# Altium PCB CPU_CARD.pcbdoc (part 5 of 10) (continued)
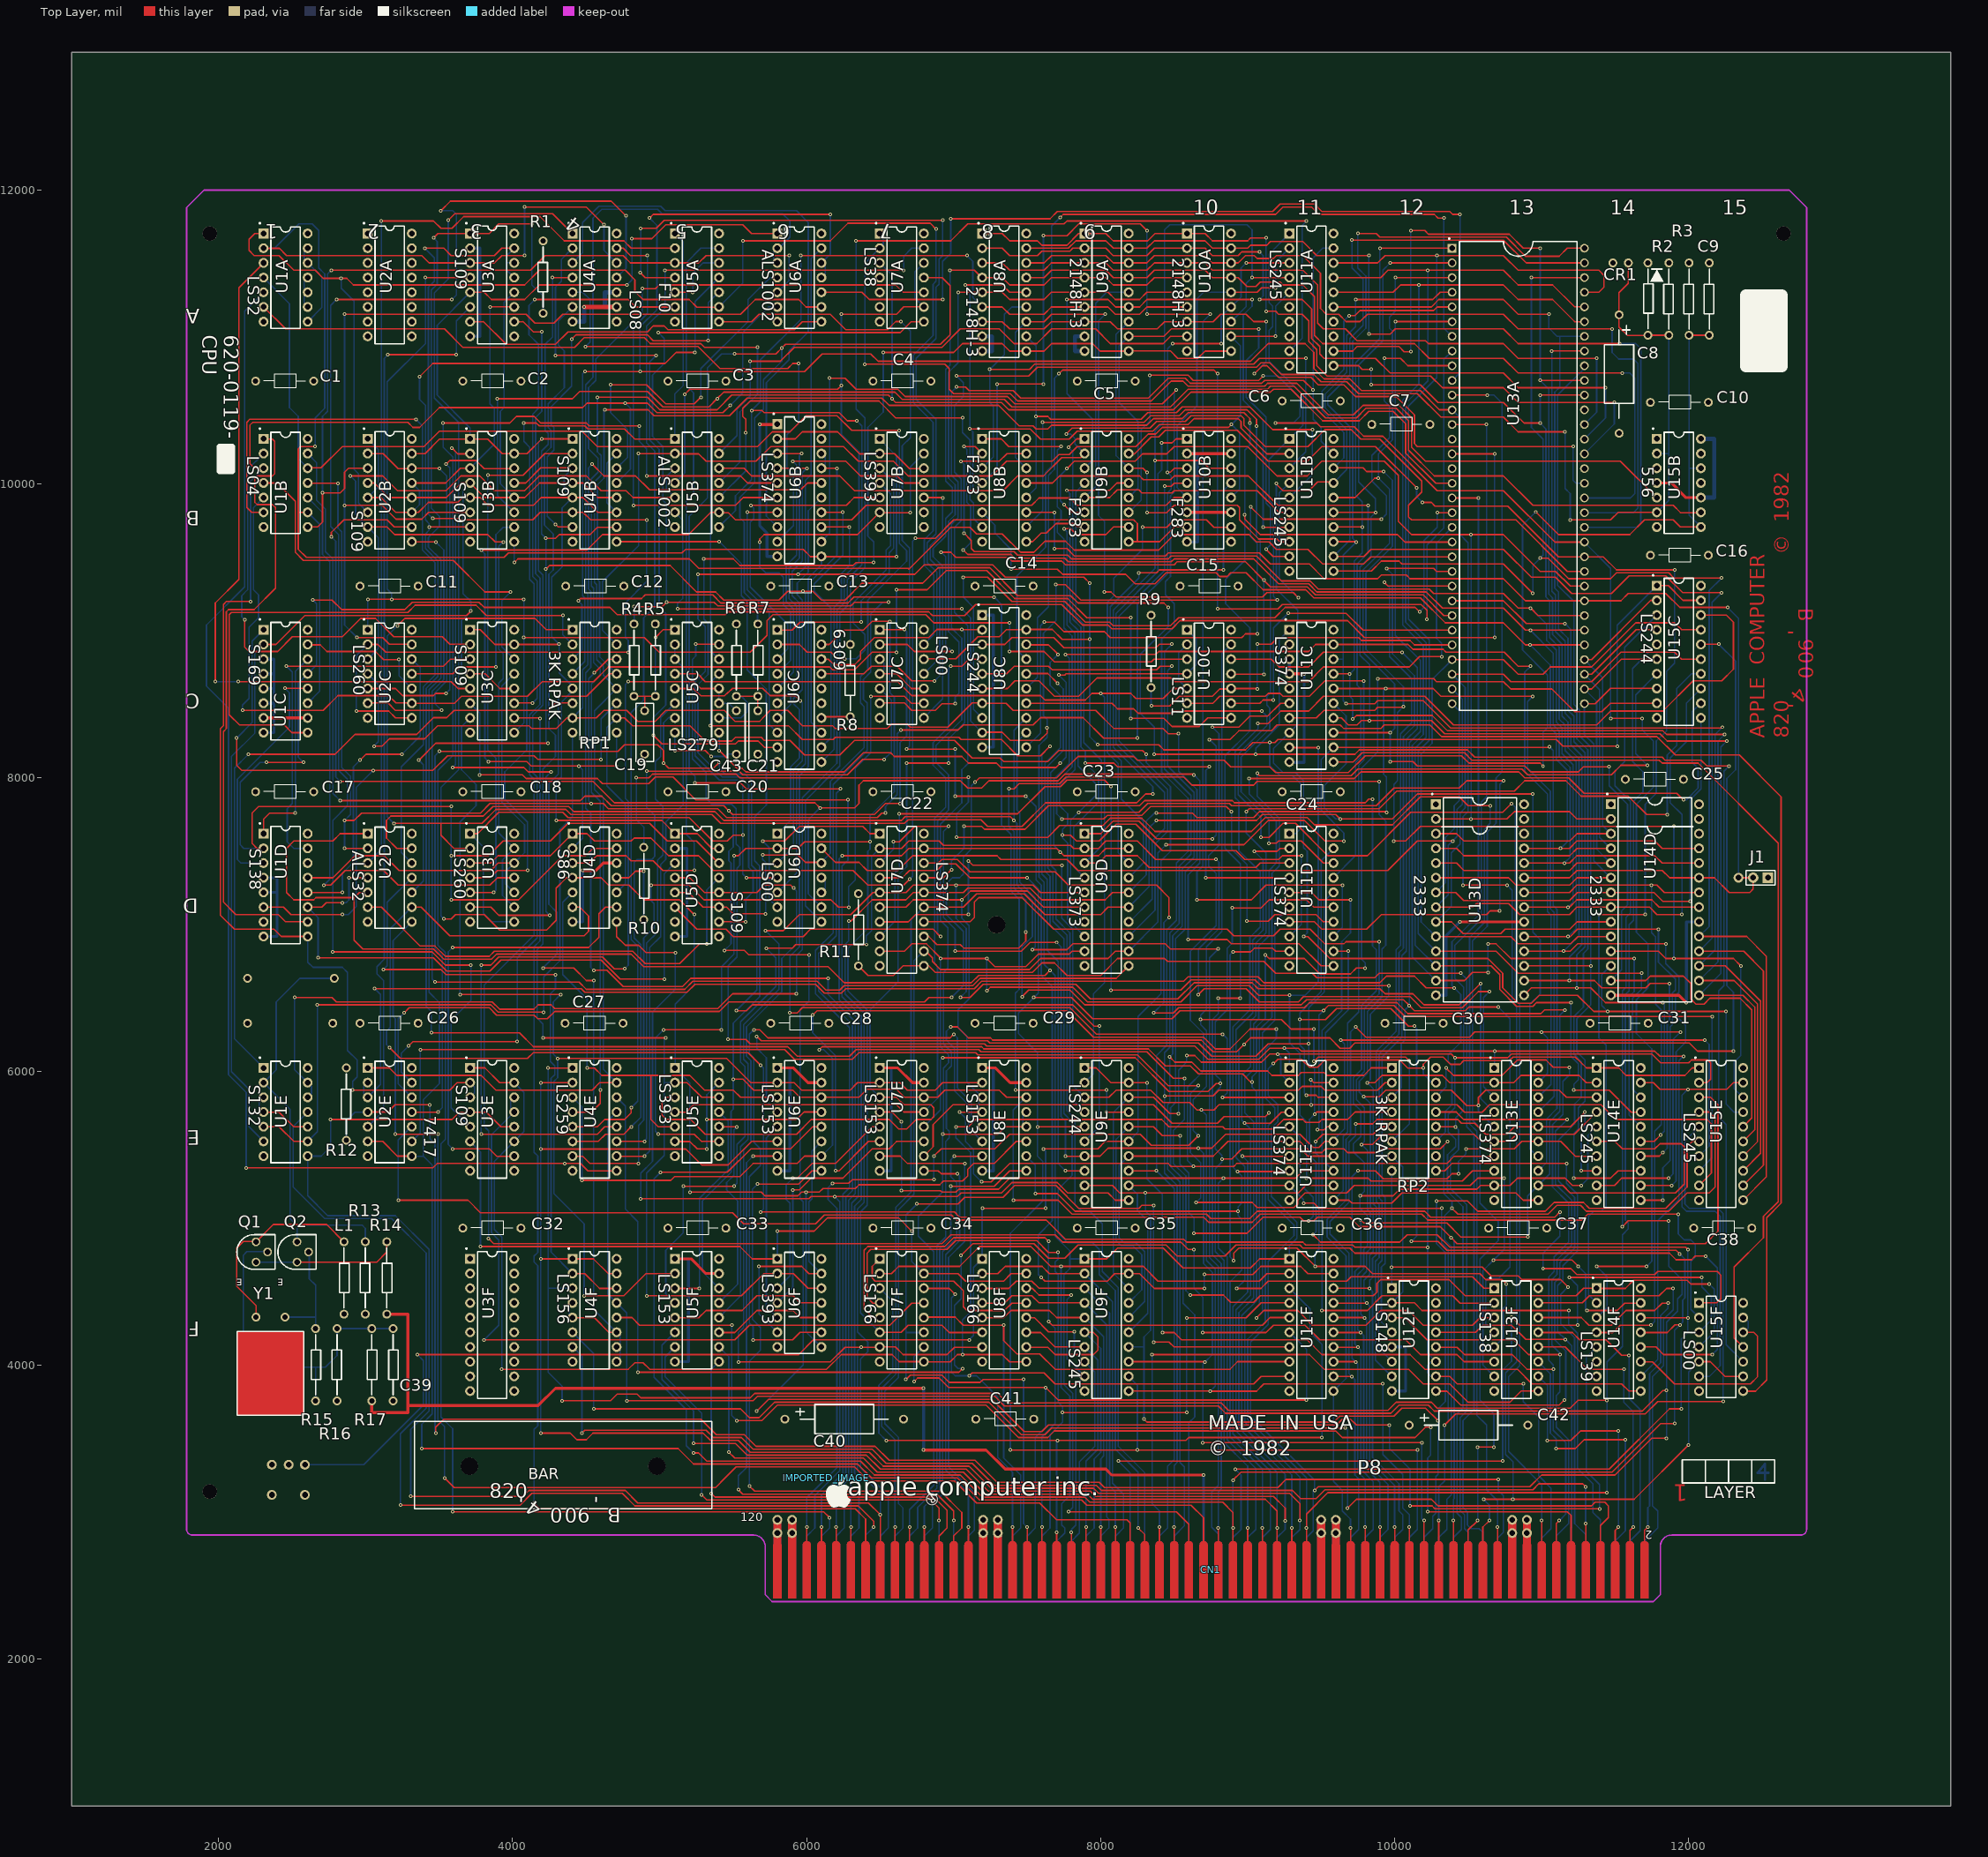
[diagram p0: Top Layer view]
## Footprints (in the part's own frame and the unit in brackets; to place one, negate y for a bottom-side part, rotate by r counter-clockwise, add the part's x,y. Pads: shape width x height; smd on the part's side, far side on the other; paste and mask are expansions set on the pad) (continued)
  Bottom Layer region: -8.848,4.952 -8.886,4.953 -8.886,4.953 -8.924,4.952 -8.924,4.952 -8.962,4.949 -8.962,4.949 -8.999,4.944 -8.999,4.944 -9.036,4.937 -9.036,4.937 -9.073,4.928 -9.073,4.928 -9.109,4.916 -9.109,4.916 -9.145,4.904 -9.145,4.904 -9.18,4.888 -9.18,4.888 -9.214,4.872 -9.214,4.872 -9.247,4.853 -9.247,4.853 -9.279,4.833 -9.279,4.833 -9.31,4.81 -9.31,4.81 -9.339,4.787 -9.339,4.787 -9.367,4.761 -9.367,4.761 -9.394,4.734 -9.394,4.734 -9.42,4.706 -9.42,4.706 -9.443,4.677 -9.443,4.677 -9.465,4.646 -9.465,4.646 -9.486,4.614 -9.486,4.614 -9.504,4.581 -9.504,4.581 -9.521,4.547 -9.521,4.547 -9.536,4.512 -9.536,4.512 -9.549,4.477 -9.549,4.477 -9.56,4.44 -9.56,4.44 -9.57,4.404 -9.57,4.404 -9.577,4.366 -9.577,4.366 -9.582,4.329 -9.582,4.329 -9.585,4.291 -9.585,4.291 -9.586,4.253 -9.586,4.253 -9.586,-4.953 -9.586,-4.953 -8.186,-4.953 -8.186,-4.953 -8.186,4.253 -8.186,4.253 -8.187,4.291 -8.187,4.291 -8.19,4.329 -8.19,4.329 -8.195,4.366 -8.195,4.366 -8.202,4.404 -8.202,4.404 -8.212,4.44 -8.212,4.44 -8.223,4.477 -8.223,4.477 -8.236,4.512 -8.236,4.512 -8.251,4.547 -8.251,4.547 -8.268,4.581 -8.268,4.581 -8.286,4.614 -8.286,4.614 -8.307,4.646 -8.307,4.646 -8.329,4.677 -8.329,4.677 -8.352,4.706 -8.352,4.706 -8.378,4.734 -8.378,4.734 -8.405,4.761 -8.405,4.761 -8.433,4.787 -8.433,4.787 -8.462,4.81 -8.462,4.81 -8.493,4.833 -8.493,4.833 -8.525,4.853 -8.525,4.853 -8.558,4.872 -8.558,4.872 -8.592,4.888 -8.592,4.888 -8.627,4.904 -8.627,4.904 -8.662,4.916 -8.662,4.916 -8.699,4.928 -8.699,4.928 -8.736,4.937 -8.736,4.937 -8.773,4.944 -8.773,4.944 -8.81,4.949 -8.81,4.949
  Bottom Layer region: -6.308,4.952 -6.346,4.953 -6.346,4.953 -6.384,4.952 -6.384,4.952 -6.421,4.949 -6.421,4.949 -6.459,4.944 -6.459,4.944 -6.496,4.937 -6.496,4.937 -6.533,4.927 -6.533,4.927 -6.569,4.916 -6.569,4.916 -6.605,4.903 -6.605,4.903 -6.64,4.888 -6.64,4.888 -6.674,4.871 -6.674,4.871 -6.707,4.853 -6.707,4.853 -6.739,4.832 -6.739,4.832 -6.769,4.81 -6.769,4.81 -6.799,4.787 -6.799,4.787 -6.827,4.761 -6.827,4.761 -6.854,4.734 -6.854,4.734 -6.879,4.706 -6.879,4.706 -6.903,4.677 -6.903,4.677 -6.925,4.646 -6.925,4.646 -6.946,4.614 -6.946,4.614 -6.964,4.581 -6.964,4.581 -6.981,4.547 -6.981,4.547 -6.996,4.512 -6.996,4.512 -7.009,4.477 -7.009,4.477 -7.02,4.44 -7.02,4.44 -7.029,4.403 -7.029,4.403 -7.036,4.366 -7.036,4.366 -7.042,4.329 -7.042,4.329 -7.045,4.291 -7.045,4.291 -7.046,4.253 -7.046,4.253 -7.046,-4.953 -7.046,-4.953 -5.646,-4.953 -5.646,-4.953 -5.646,4.253 -5.646,4.253 -5.647,4.291 -5.647,4.291 -5.65,4.329 -5.65,4.329 -5.655,4.366 -5.655,4.366 -5.662,4.403 -5.662,4.403 -5.671,4.44 -5.671,4.44 -5.682,4.477 -5.682,4.477 -5.695,4.512 -5.695,4.512 -5.71,4.547 -5.71,4.547 -5.727,4.581 -5.727,4.581 -5.746,4.614 -5.746,4.614 -5.766,4.646 -5.766,4.646 -5.789,4.677 -5.789,4.677 -5.812,4.706 -5.812,4.706 -5.838,4.734 -5.838,4.734 -5.864,4.761 -5.864,4.761 -5.893,4.787 -5.893,4.787 -5.922,4.81 -5.922,4.81 -5.953,4.832 -5.953,4.832 -5.985,4.853 -5.985,4.853 -6.018,4.871 -6.018,4.871 -6.052,4.888 -6.052,4.888 -6.087,4.903 -6.087,4.903 -6.122,4.916 -6.122,4.916 -6.159,4.927 -6.159,4.927 -6.195,4.937 -6.195,4.937 -6.233,4.944 -6.233,4.944 -6.27,4.949 -6.27,4.949
  Bottom Layer region: -11.388,4.952 -11.426,4.953 -11.426,4.953 -11.464,4.952 -11.464,4.952 -11.502,4.949 -11.502,4.949 -11.539,4.944 -11.539,4.944 -11.577,4.937 -11.577,4.937 -11.614,4.927 -11.614,4.927 -11.65,4.916 -11.65,4.916 -11.685,4.903 -11.685,4.903 -11.72,4.888 -11.72,4.888 -11.754,4.872 -11.754,4.872 -11.787,4.853 -11.787,4.853 -11.819,4.832 -11.819,4.832 -11.85,4.81 -11.85,4.81 -11.879,4.787 -11.879,4.787 -11.907,4.761 -11.907,4.761 -11.934,4.734 -11.934,4.734 -11.96,4.706 -11.96,4.706 -11.983,4.677 -11.983,4.677 -12.005,4.646 -12.005,4.646 -12.026,4.614 -12.026,4.614 -12.044,4.581 -12.044,4.581 -12.061,4.547 -12.061,4.547 -12.076,4.512 -12.076,4.512 -12.089,4.477 -12.089,4.477 -12.1,4.44 -12.1,4.44 -12.11,4.404 -12.11,4.404 -12.117,4.366 -12.117,4.366 -12.122,4.329 -12.122,4.329 -12.125,4.291 -12.125,4.291 -12.126,4.253 -12.126,4.253 -12.126,-4.953 -12.126,-4.953 -10.726,-4.953 -10.726,-4.953 -10.726,4.253 -10.726,4.253 -10.727,4.291 -10.727,4.291 -10.73,4.329 -10.73,4.329 -10.735,4.366 -10.735,4.366 -10.743,4.404 -10.743,4.404 -10.752,4.44 -10.752,4.44 -10.763,4.477 -10.763,4.477 -10.776,4.512 -10.776,4.512 -10.791,4.547 -10.791,4.547 -10.808,4.581 -10.808,4.581 -10.826,4.614 -10.826,4.614 -10.847,4.646 -10.847,4.646 -10.869,4.677 -10.869,4.677 -10.893,4.706 -10.893,4.706 -10.918,4.734 -10.918,4.734 -10.945,4.761 -10.945,4.761 -10.973,4.787 -10.973,4.787 -11.003,4.81 -11.003,4.81 -11.033,4.832 -11.033,4.832 -11.065,4.853 -11.065,4.853 -11.098,4.872 -11.098,4.872 -11.132,4.888 -11.132,4.888 -11.167,4.903 -11.167,4.903 -11.203,4.916 -11.203,4.916 -11.239,4.927 -11.239,4.927 -11.276,4.937 -11.276,4.937 -11.313,4.944 -11.313,4.944 -11.351,4.949 -11.351,4.949
  Bottom Layer region: -13.928,4.952 -13.966,4.953 -13.966,4.953 -14.004,4.952 -14.004,4.952 -14.042,4.949 -14.042,4.949 -14.08,4.944 -14.08,4.944 -14.117,4.937 -14.117,4.937 -14.154,4.927 -14.154,4.927 -14.19,4.916 -14.19,4.916 -14.225,4.903 -14.225,4.903 -14.26,4.888 -14.26,4.888 -14.294,4.871 -14.294,4.871 -14.327,4.853 -14.327,4.853 -14.359,4.832 -14.359,4.832 -14.39,4.81 -14.39,4.81 -14.419,4.786 -14.419,4.786 -14.448,4.761 -14.448,4.761 -14.475,4.734 -14.475,4.734 -14.5,4.706 -14.5,4.706 -14.524,4.677 -14.524,4.677 -14.546,4.646 -14.546,4.646 -14.566,4.614 -14.566,4.614 -14.585,4.581 -14.585,4.581 -14.602,4.547 -14.602,4.547 -14.617,4.512 -14.617,4.512 -14.63,4.477 -14.63,4.477 -14.641,4.44 -14.641,4.44 -14.65,4.403 -14.65,4.403 -14.657,4.366 -14.657,4.366 -14.662,4.329 -14.662,4.329 -14.665,4.291 -14.665,4.291 -14.666,4.253 -14.666,4.253 -14.666,-4.953 -14.666,-4.953 -13.266,-4.953 -13.266,-4.953 -13.266,4.253 -13.266,4.253 -13.267,4.291 -13.267,4.291 -13.27,4.329 -13.27,4.329 -13.276,4.366 -13.276,4.366 -13.283,4.403 -13.283,4.403 -13.292,4.44 -13.292,4.44 -13.303,4.477 -13.303,4.477 -13.316,4.512 -13.316,4.512 -13.331,4.547 -13.331,4.547 -13.348,4.581 -13.348,4.581 -13.367,4.614 -13.367,4.614 -13.387,4.646 -13.387,4.646 -13.409,4.677 -13.409,4.677 -13.433,4.706 -13.433,4.706 -13.458,4.734 -13.458,4.734 -13.485,4.761 -13.485,4.761 -13.513,4.786 -13.513,4.786 -13.543,4.81 -13.543,4.81 -13.574,4.832 -13.574,4.832 -13.605,4.853 -13.605,4.853 -13.639,4.871 -13.639,4.871 -13.672,4.888 -13.672,4.888 -13.707,4.903 -13.707,4.903 -13.743,4.916 -13.743,4.916 -13.779,4.927 -13.779,4.927 -13.816,4.937 -13.816,4.937 -13.853,4.944 -13.853,4.944 -13.891,4.949 -13.891,4.949
  Bottom Layer region: -54.573,4.952 -54.611,4.953 -54.611,4.953 -54.649,4.952 -54.649,4.952 -54.686,4.949 -54.686,4.949 -54.724,4.944 -54.724,4.944 -54.761,4.937 -54.761,4.937 -54.798,4.927 -54.798,4.927 -54.834,4.916 -54.834,4.916 -54.87,4.903 -54.87,4.903 -54.905,4.888 -54.905,4.888 -54.938,4.871 -54.938,4.871 -54.972,4.853 -54.972,4.853 -55.003,4.832 -55.003,4.832 -55.034,4.81 -55.034,4.81 -55.064,4.786 -55.064,4.786 -55.092,4.761 -55.092,4.761 -55.119,4.734 -55.119,4.734 -55.144,4.706 -55.144,4.706 -55.168,4.677 -55.168,4.677 -55.19,4.646 -55.19,4.646 -55.21,4.614 -55.21,4.614 -55.229,4.581 -55.229,4.581 -55.246,4.547 -55.246,4.547 -55.261,4.512 -55.261,4.512 -55.274,4.477 -55.274,4.477 -55.285,4.44 -55.285,4.44 -55.294,4.403 -55.294,4.403 -55.301,4.366 -55.301,4.366 -55.307,4.329 -55.307,4.329 -55.31,4.291 -55.31,4.291 -55.311,4.253 -55.311,4.253 -55.311,-4.953 -55.311,-4.953 -53.911,-4.953 -53.911,-4.953 -53.911,4.253 -53.911,4.253 -53.912,4.291 -53.912,4.291 -53.915,4.329 -53.915,4.329 -53.92,4.366 -53.92,4.366 -53.927,4.403 -53.927,4.403 -53.936,4.44 -53.936,4.44 -53.947,4.477 -53.947,4.477 -53.96,4.512 -53.96,4.512 -53.975,4.547 -53.975,4.547 -53.992,4.581 -53.992,4.581 -54.011,4.614 -54.011,4.614 -54.031,4.646 -54.031,4.646 -54.053,4.677 -54.053,4.677 -54.077,4.706 -54.077,4.706 -54.102,4.734 -54.102,4.734 -54.129,4.761 -54.129,4.761 -54.158,4.786 -54.158,4.786 -54.187,4.81 -54.187,4.81 -54.218,4.832 -54.218,4.832 -54.25,4.853 -54.25,4.853 -54.283,4.871 -54.283,4.871 -54.317,4.888 -54.317,4.888 -54.352,4.903 -54.352,4.903 -54.387,4.916 -54.387,4.916 -54.423,4.927 -54.423,4.927 -54.46,4.937 -54.46,4.937 -54.497,4.944 -54.497,4.944 -54.535,4.949 -54.535,4.949
  Bottom Layer region: -52.033,4.952 -52.071,4.953 -52.071,4.953 -52.108,4.952 -52.108,4.952 -52.146,4.949 -52.146,4.949 -52.184,4.944 -52.184,4.944 -52.221,4.937 -52.221,4.937 -52.258,4.927 -52.258,4.927 -52.294,4.916 -52.294,4.916 -52.33,4.903 -52.33,4.903 -52.364,4.888 -52.364,4.888 -52.398,4.872 -52.398,4.872 -52.431,4.853 -52.431,4.853 -52.463,4.832 -52.463,4.832 -52.494,4.81 -52.494,4.81 -52.523,4.787 -52.523,4.787 -52.552,4.761 -52.552,4.761 -52.579,4.734 -52.579,4.734 -52.604,4.706 -52.604,4.706 -52.628,4.677 -52.628,4.677 -52.65,4.646 -52.65,4.646 -52.67,4.614 -52.67,4.614 -52.689,4.581 -52.689,4.581 -52.706,4.547 -52.706,4.547 -52.721,4.512 -52.721,4.512 -52.734,4.477 -52.734,4.477 -52.745,4.44 -52.745,4.44 -52.754,4.404 -52.754,4.404 -52.761,4.366 -52.761,4.366 -52.766,4.329 -52.766,4.329 -52.769,4.291 -52.769,4.291 -52.77,4.253 -52.77,4.253 -52.77,-4.953 -52.77,-4.953 -51.371,-4.953 -51.371,-4.953 -51.371,4.253 -51.371,4.253 -51.372,4.291 -51.372,4.291 -51.375,4.329 -51.375,4.329 -51.38,4.366 -51.38,4.366 -51.387,4.404 -51.387,4.404 -51.396,4.44 -51.396,4.44 -51.407,4.477 -51.407,4.477 -51.42,4.512 -51.42,4.512 -51.435,4.547 -51.435,4.547 -51.452,4.581 -51.452,4.581 -51.471,4.614 -51.471,4.614 -51.491,4.646 -51.491,4.646 -51.513,4.677 -51.513,4.677 -51.537,4.706 -51.537,4.706 -51.562,4.734 -51.562,4.734 -51.589,4.761 -51.589,4.761 -51.617,4.787 -51.617,4.787 -51.647,4.81 -51.647,4.81 -51.678,4.832 -51.678,4.832 -51.71,4.853 -51.71,4.853 -51.743,4.872 -51.743,4.872 -51.777,4.888 -51.777,4.888 -51.811,4.903 -51.811,4.903 -51.847,4.916 -51.847,4.916 -51.883,4.927 -51.883,4.927 -51.92,4.937 -51.92,4.937 -51.957,4.944 -51.957,4.944 -51.995,4.949 -51.995,4.949
  Bottom Layer region: -46.952,4.952 -46.99,4.953 -46.99,4.953 -47.028,4.952 -47.028,4.952 -47.066,4.949 -47.066,4.949 -47.103,4.944 -47.103,4.944 -47.141,4.937 -47.141,4.937 -47.177,4.927 -47.177,4.927 -47.214,4.916 -47.214,4.916 -47.249,4.903 -47.249,4.903 -47.284,4.888 -47.284,4.888 -47.318,4.872 -47.318,4.872 -47.351,4.853 -47.351,4.853 -47.383,4.832 -47.383,4.832 -47.414,4.81 -47.414,4.81 -47.443,4.787 -47.443,4.787 -47.471,4.761 -47.471,4.761 -47.498,4.734 -47.498,4.734 -47.524,4.706 -47.524,4.706 -47.547,4.677 -47.547,4.677 -47.569,4.646 -47.569,4.646 -47.59,4.614 -47.59,4.614 -47.609,4.581 -47.609,4.581 -47.625,4.547 -47.625,4.547 -47.64,4.512 -47.64,4.512 -47.653,4.477 -47.653,4.477 -47.664,4.44 -47.664,4.44 -47.674,4.404 -47.674,4.404 -47.681,4.366 -47.681,4.366 -47.686,4.329 -47.686,4.329 -47.689,4.291 -47.689,4.291 -47.69,4.253 -47.69,4.253 -47.69,-4.953 -47.69,-4.953 -46.29,-4.953 -46.29,-4.953 -46.29,4.253 -46.29,4.253 -46.291,4.291 -46.291,4.291 -46.294,4.329 -46.294,4.329 -46.299,4.366 -46.299,4.366 -46.306,4.404 -46.306,4.404 -46.316,4.44 -46.316,4.44 -46.327,4.477 -46.327,4.477 -46.34,4.512 -46.34,4.512 -46.355,4.547 -46.355,4.547 -46.372,4.581 -46.372,4.581 -46.39,4.614 -46.39,4.614 -46.411,4.646 -46.411,4.646 -46.433,4.677 -46.433,4.677 -46.457,4.706 -46.457,4.706 -46.482,4.734 -46.482,4.734 -46.509,4.761 -46.509,4.761 -46.537,4.787 -46.537,4.787 -46.566,4.81 -46.566,4.81 -46.597,4.832 -46.597,4.832 -46.629,4.853 -46.629,4.853 -46.662,4.872 -46.662,4.872 -46.696,4.888 -46.696,4.888 -46.731,4.903 -46.731,4.903 -46.767,4.916 -46.767,4.916 -46.803,4.927 -46.803,4.927 -46.84,4.937 -46.84,4.937 -46.877,4.944 -46.877,4.944 -46.914,4.949 -46.914,4.949
  Bottom Layer region: -49.492,4.952 -49.53,4.953 -49.53,4.953 -49.568,4.952 -49.568,4.952 -49.606,4.949 -49.606,4.949 -49.644,4.944 -49.644,4.944 -49.681,4.937 -49.681,4.937 -49.718,4.928 -49.718,4.928 -49.754,4.916 -49.754,4.916 -49.79,4.903 -49.79,4.903 -49.824,4.888 -49.824,4.888 -49.858,4.872 -49.858,4.872 -49.891,4.853 -49.891,4.853 -49.923,4.833 -49.923,4.833 -49.954,4.81 -49.954,4.81 -49.983,4.787 -49.983,4.787 -50.012,4.761 -50.012,4.761 -50.039,4.734 -50.039,4.734 -50.064,4.706 -50.064,4.706 -50.088,4.677 -50.088,4.677 -50.11,4.646 -50.11,4.646 -50.13,4.614 -50.13,4.614 -50.149,4.581 -50.149,4.581 -50.166,4.547 -50.166,4.547 -50.181,4.512 -50.181,4.512 -50.194,4.477 -50.194,4.477 -50.205,4.44 -50.205,4.44 -50.214,4.404 -50.214,4.404 -50.221,4.366 -50.221,4.366 -50.226,4.329 -50.226,4.329 -50.229,4.291 -50.229,4.291 -50.23,4.253 -50.23,4.253 -50.23,-4.953 -50.23,-4.953 -48.83,-4.953 -48.83,-4.953 -48.83,4.253 -48.83,4.253 -48.831,4.291 -48.831,4.291 -48.834,4.329 -48.834,4.329 -48.84,4.366 -48.84,4.366 -48.847,4.404 -48.847,4.404 -48.856,4.44 -48.856,4.44 -48.867,4.477 -48.867,4.477 -48.88,4.512 -48.88,4.512 -48.895,4.547 -48.895,4.547 -48.912,4.581 -48.912,4.581 -48.931,4.614 -48.931,4.614 -48.951,4.646 -48.951,4.646 -48.973,4.677 -48.973,4.677 -48.997,4.706 -48.997,4.706 -49.022,4.734 -49.022,4.734 -49.049,4.761 -49.049,4.761 -49.077,4.787 -49.077,4.787 -49.107,4.81 -49.107,4.81 -49.137,4.833 -49.137,4.833 -49.169,4.853 -49.169,4.853 -49.203,4.872 -49.203,4.872 -49.236,4.888 -49.236,4.888 -49.271,4.903 -49.271,4.903 -49.307,4.916 -49.307,4.916 -49.343,4.928 -49.343,4.928 -49.38,4.937 -49.38,4.937 -49.417,4.944 -49.417,4.944 -49.455,4.949 -49.455,4.949
  Bottom Layer region: -39.331,4.952 -39.369,4.953 -39.369,4.953 -39.407,4.952 -39.407,4.952 -39.445,4.949 -39.445,4.949 -39.482,4.944 -39.482,4.944 -39.52,4.937 -39.52,4.937 -39.557,4.928 -39.557,4.928 -39.593,4.917 -39.593,4.917 -39.628,4.903 -39.628,4.903 -39.663,4.888 -39.663,4.888 -39.697,4.872 -39.697,4.872 -39.73,4.853 -39.73,4.853 -39.762,4.833 -39.762,4.833 -39.793,4.81 -39.793,4.81 -39.822,4.787 -39.822,4.787 -39.851,4.761 -39.851,4.761 -39.877,4.734 -39.877,4.734 -39.902,4.706 -39.902,4.706 -39.926,4.677 -39.926,4.677 -39.949,4.646 -39.949,4.646 -39.969,4.614 -39.969,4.614 -39.988,4.581 -39.988,4.581 -40.004,4.547 -40.004,4.547 -40.019,4.512 -40.019,4.512 -40.032,4.477 -40.032,4.477 -40.044,4.441 -40.044,4.441 -40.053,4.404 -40.053,4.404 -40.06,4.366 -40.06,4.366 -40.065,4.329 -40.065,4.329 -40.068,4.291 -40.068,4.291 -40.069,4.253 -40.069,4.253 -40.069,-4.953 -40.069,-4.953 -38.669,-4.953 -38.669,-4.953 -38.669,4.253 -38.669,4.253 -38.67,4.291 -38.67,4.291 -38.673,4.329 -38.673,4.329 -38.678,4.366 -38.678,4.366 -38.685,4.404 -38.685,4.404 -38.695,4.441 -38.695,4.441 -38.706,4.477 -38.706,4.477 -38.719,4.512 -38.719,4.512 -38.734,4.547 -38.734,4.547 -38.751,4.581 -38.751,4.581 -38.769,4.614 -38.769,4.614 -38.79,4.646 -38.79,4.646 -38.812,4.677 -38.812,4.677 -38.836,4.706 -38.836,4.706 -38.861,4.734 -38.861,4.734 -38.888,4.761 -38.888,4.761 -38.916,4.787 -38.916,4.787 -38.945,4.81 -38.945,4.81 -38.976,4.833 -38.976,4.833 -39.008,4.853 -39.008,4.853 -39.041,4.872 -39.041,4.872 -39.075,4.888 -39.075,4.888 -39.11,4.903 -39.11,4.903 -39.146,4.917 -39.146,4.917 -39.182,4.928 -39.182,4.928 -39.219,4.937 -39.219,4.937 -39.256,4.944 -39.256,4.944 -39.293,4.949 -39.293,4.949
  Bottom Layer region: -36.791,4.952 -36.829,4.953 -36.829,4.953 -36.867,4.952 -36.867,4.952 -36.905,4.949 -36.905,4.949 -36.942,4.944 -36.942,4.944 -36.979,4.937 -36.979,4.937 -37.016,4.927 -37.016,4.927 -37.052,4.916 -37.052,4.916 -37.088,4.903 -37.088,4.903 -37.123,4.888 -37.123,4.888 -37.157,4.871 -37.157,4.871 -37.19,4.853 -37.19,4.853 -37.222,4.832 -37.222,4.832 -37.252,4.81 -37.252,4.81 -37.282,4.786 -37.282,4.786 -37.31,4.761 -37.31,4.761 -37.337,4.734 -37.337,4.734 -37.362,4.706 -37.362,4.706 -37.386,4.677 -37.386,4.677 -37.408,4.646 -37.408,4.646 -37.429,4.614 -37.429,4.614 -37.447,4.581 -37.447,4.581 -37.464,4.547 -37.464,4.547 -37.479,4.512 -37.479,4.512 -37.492,4.477 -37.492,4.477 -37.503,4.44 -37.503,4.44 -37.512,4.403 -37.512,4.403 -37.519,4.366 -37.519,4.366 -37.525,4.329 -37.525,4.329 -37.528,4.291 -37.528,4.291 -37.529,4.253 -37.529,4.253 -37.529,-4.953 -37.529,-4.953 -36.129,-4.953 -36.129,-4.953 -36.129,4.253 -36.129,4.253 -36.13,4.291 -36.13,4.291 -36.133,4.329 -36.133,4.329 -36.138,4.366 -36.138,4.366 -36.145,4.403 -36.145,4.403 -36.154,4.44 -36.154,4.44 -36.165,4.477 -36.165,4.477 -36.179,4.512 -36.179,4.512 -36.194,4.547 -36.194,4.547 -36.21,4.581 -36.21,4.581 -36.229,4.614 -36.229,4.614 -36.249,4.646 -36.249,4.646 -36.272,4.677 -36.272,4.677 -36.295,4.706 -36.295,4.706 -36.321,4.734 -36.321,4.734 -36.347,4.761 -36.347,4.761 -36.376,4.786 -36.376,4.786 -36.405,4.81 -36.405,4.81 -36.436,4.832 -36.436,4.832 -36.468,4.853 -36.468,4.853 -36.501,4.871 -36.501,4.871 -36.535,4.888 -36.535,4.888 -36.57,4.903 -36.57,4.903 -36.605,4.916 -36.605,4.916 -36.642,4.927 -36.642,4.927 -36.678,4.937 -36.678,4.937 -36.716,4.944 -36.716,4.944 -36.753,4.949 -36.753,4.949
  Bottom Layer region: -41.871,4.952 -41.909,4.953 -41.909,4.953 -41.947,4.952 -41.947,4.952 -41.985,4.949 -41.985,4.949 -42.023,4.944 -42.023,4.944 -42.06,4.937 -42.06,4.937 -42.097,4.927 -42.097,4.927 -42.133,4.916 -42.133,4.916 -42.169,4.903 -42.169,4.903 -42.203,4.888 -42.203,4.888 -42.237,4.871 -42.237,4.871 -42.27,4.853 -42.27,4.853 -42.302,4.832 -42.302,4.832 -42.333,4.81 -42.333,4.81 -42.362,4.786 -42.362,4.786 -42.391,4.761 -42.391,4.761 -42.418,4.734 -42.418,4.734 -42.443,4.706 -42.443,4.706 -42.467,4.677 -42.467,4.677 -42.489,4.646 -42.489,4.646 -42.509,4.614 -42.509,4.614 -42.528,4.581 -42.528,4.581 -42.545,4.547 -42.545,4.547 -42.56,4.512 -42.56,4.512 -42.573,4.477 -42.573,4.477 -42.584,4.44 -42.584,4.44 -42.593,4.403 -42.593,4.403 -42.6,4.366 -42.6,4.366 -42.605,4.329 -42.605,4.329 -42.608,4.291 -42.608,4.291 -42.609,4.253 -42.609,4.253 -42.609,-4.953 -42.609,-4.953 -41.209,-4.953 -41.209,-4.953 -41.209,4.253 -41.209,4.253 -41.211,4.291 -41.211,4.291 -41.213,4.329 -41.213,4.329 -41.219,4.366 -41.219,4.366 -41.226,4.403 -41.226,4.403 -41.235,4.44 -41.235,4.44 -41.246,4.477 -41.246,4.477 -41.259,4.512 -41.259,4.512 -41.274,4.547 -41.274,4.547 -41.291,4.581 -41.291,4.581 -41.31,4.614 -41.31,4.614 -41.33,4.646 -41.33,4.646 -41.352,4.677 -41.352,4.677 -41.376,4.706 -41.376,4.706 -41.401,4.734 -41.401,4.734 -41.428,4.761 -41.428,4.761 -41.456,4.786 -41.456,4.786 -41.486,4.81 -41.486,4.81 -41.516,4.832 -41.516,4.832 -41.548,4.853 -41.548,4.853 -41.582,4.871 -41.582,4.871 -41.615,4.888 -41.615,4.888 -41.65,4.903 -41.65,4.903 -41.686,4.916 -41.686,4.916 -41.722,4.927 -41.722,4.927 -41.759,4.937 -41.759,4.937 -41.796,4.944 -41.796,4.944 -41.834,4.949 -41.834,4.949
  Bottom Layer region: -44.412,4.952 -44.45,4.953 -44.45,4.953 -44.487,4.952 -44.487,4.952 -44.525,4.949 -44.525,4.949 -44.563,4.944 -44.563,4.944 -44.6,4.937 -44.6,4.937 -44.637,4.928 -44.637,4.928 -44.673,4.916 -44.673,4.916 -44.709,4.903 -44.709,4.903 -44.743,4.888 -44.743,4.888 -44.777,4.871 -44.777,4.871 -44.81,4.853 -44.81,4.853 -44.842,4.832 -44.842,4.832 -44.873,4.81 -44.873,4.81 -44.903,4.786 -44.903,4.786 -44.931,4.761 -44.931,4.761 -44.958,4.734 -44.958,4.734 -44.983,4.706 -44.983,4.706 -45.007,4.677 -45.007,4.677 -45.029,4.646 -45.029,4.646 -45.049,4.614 -45.049,4.614 -45.068,4.581 -45.068,4.581 -45.085,4.547 -45.085,4.547 -45.1,4.512 -45.1,4.512 -45.113,4.477 -45.113,4.477 -45.124,4.44 -45.124,4.44 -45.133,4.403 -45.133,4.403 -45.14,4.366 -45.14,4.366 -45.145,4.329 -45.145,4.329 -45.149,4.291 -45.149,4.291 -45.15,4.253 -45.15,4.253 -45.15,-4.953 -45.15,-4.953 -43.75,-4.953 -43.75,-4.953 -43.75,4.253 -43.75,4.253 -43.751,4.291 -43.751,4.291 -43.754,4.329 -43.754,4.329 -43.759,4.366 -43.759,4.366 -43.766,4.403 -43.766,4.403 -43.775,4.44 -43.775,4.44 -43.786,4.477 -43.786,4.477 -43.799,4.512 -43.799,4.512 -43.814,4.547 -43.814,4.547 -43.831,4.581 -43.831,4.581 -43.85,4.614 -43.85,4.614 -43.87,4.646 -43.87,4.646 -43.892,4.677 -43.892,4.677 -43.916,4.706 -43.916,4.706 -43.941,4.734 -43.941,4.734 -43.968,4.761 -43.968,4.761 -43.996,4.786 -43.996,4.786 -44.026,4.81 -44.026,4.81 -44.057,4.832 -44.057,4.832 -44.089,4.853 -44.089,4.853 -44.122,4.871 -44.122,4.871 -44.156,4.888 -44.156,4.888 -44.19,4.903 -44.19,4.903 -44.226,4.916 -44.226,4.916 -44.262,4.928 -44.262,4.928 -44.299,4.937 -44.299,4.937 -44.336,4.944 -44.336,4.944 -44.374,4.949 -44.374,4.949
  Bottom Layer region: -64.734,4.952 -64.772,4.953 -64.772,4.953 -64.81,4.952 -64.81,4.952 -64.848,4.949 -64.848,4.949 -64.885,4.944 -64.885,4.944 -64.922,4.937 -64.922,4.937 -64.959,4.927 -64.959,4.927 -64.995,4.916 -64.995,4.916 -65.031,4.903 -65.031,4.903 -65.066,4.888 -65.066,4.888 -65.1,4.871 -65.1,4.871 -65.133,4.853 -65.133,4.853 -65.165,4.832 -65.165,4.832 -65.195,4.81 -65.195,4.81 -65.225,4.786 -65.225,4.786 -65.253,4.761 -65.253,4.761 -65.28,4.734 -65.28,4.734 -65.305,4.706 -65.305,4.706 -65.329,4.677 -65.329,4.677 -65.351,4.646 -65.351,4.646 -65.372,4.614 -65.372,4.614 -65.39,4.581 -65.39,4.581 -65.407,4.547 -65.407,4.547 -65.422,4.512 -65.422,4.512 -65.435,4.477 -65.435,4.477 -65.446,4.44 -65.446,4.44 -65.455,4.403 -65.455,4.403 -65.463,4.366 -65.463,4.366 -65.468,4.329 -65.468,4.329 -65.471,4.291 -65.471,4.291 -65.472,4.253 -65.472,4.253 -65.472,-4.953 -65.472,-4.953 -64.072,-4.953 -64.072,-4.953 -64.072,4.253 -64.072,4.253 -64.073,4.291 -64.073,4.291 -64.076,4.329 -64.076,4.329 -64.081,4.366 -64.081,4.366 -64.088,4.403 -64.088,4.403 -64.097,4.44 -64.097,4.44 -64.109,4.477 -64.109,4.477 -64.121,4.512 -64.121,4.512 -64.136,4.547 -64.136,4.547 -64.153,4.581 -64.153,4.581 -64.172,4.614 -64.172,4.614 -64.192,4.646 -64.192,4.646 -64.215,4.677 -64.215,4.677 -64.238,4.706 -64.238,4.706 -64.264,4.734 -64.264,4.734 -64.29,4.761 -64.29,4.761 -64.319,4.786 -64.319,4.786 -64.348,4.81 -64.348,4.81 -64.379,4.832 -64.379,4.832 -64.411,4.853 -64.411,4.853 -64.444,4.871 -64.444,4.871 -64.478,4.888 -64.478,4.888 -64.513,4.903 -64.513,4.903 -64.548,4.916 -64.548,4.916 -64.585,4.927 -64.585,4.927 -64.621,4.937 -64.621,4.937 -64.658,4.944 -64.658,4.944 -64.696,4.949 -64.696,4.949
  Bottom Layer region: -62.194,4.952 -62.232,4.953 -62.232,4.953 -62.269,4.952 -62.269,4.952 -62.307,4.949 -62.307,4.949 -62.345,4.944 -62.345,4.944 -62.382,4.937 -62.382,4.937 -62.419,4.927 -62.419,4.927 -62.455,4.916 -62.455,4.916 -62.491,4.903 -62.491,4.903 -62.525,4.888 -62.525,4.888 -62.559,4.871 -62.559,4.871 -62.592,4.853 -62.592,4.853 -62.624,4.832 -62.624,4.832 -62.655,4.81 -62.655,4.81 -62.685,4.786 -62.685,4.786 -62.713,4.761 -62.713,4.761 -62.74,4.734 -62.74,4.734 -62.765,4.706 -62.765,4.706 -62.789,4.677 -62.789,4.677 -62.811,4.646 -62.811,4.646 -62.832,4.614 -62.832,4.614 -62.85,4.581 -62.85,4.581 -62.867,4.547 -62.867,4.547 -62.882,4.512 -62.882,4.512 -62.895,4.477 -62.895,4.477 -62.906,4.44 -62.906,4.44 -62.915,4.403 -62.915,4.403 -62.922,4.366 -62.922,4.366 -62.927,4.329 -62.927,4.329 -62.931,4.291 -62.931,4.291 -62.931,4.253 -62.931,4.253 -62.931,-4.953 -62.931,-4.953 -61.532,-4.953 -61.532,-4.953 -61.532,4.253 -61.532,4.253 -61.533,4.291 -61.533,4.291 -61.536,4.329 -61.536,4.329 -61.541,4.366 -61.541,4.366 -61.548,4.403 -61.548,4.403 -61.557,4.44 -61.557,4.44 -61.568,4.477 -61.568,4.477 -61.581,4.512 -61.581,4.512 -61.596,4.547 -61.596,4.547 -61.613,4.581 -61.613,4.581 -61.632,4.614 -61.632,4.614 -61.652,4.646 -61.652,4.646 -61.674,4.677 -61.674,4.677 -61.698,4.706 -61.698,4.706 -61.723,4.734 -61.723,4.734 -61.75,4.761 -61.75,4.761 -61.778,4.786 -61.778,4.786 -61.808,4.81 -61.808,4.81 -61.839,4.832 -61.839,4.832 -61.871,4.853 -61.871,4.853 -61.904,4.871 -61.904,4.871 -61.938,4.888 -61.938,4.888 -61.972,4.903 -61.972,4.903 -62.008,4.916 -62.008,4.916 -62.044,4.927 -62.044,4.927 -62.081,4.937 -62.081,4.937 -62.118,4.944 -62.118,4.944 -62.156,4.949 -62.156,4.949
  Bottom Layer region: -57.113,4.952 -57.151,4.953 -57.151,4.953 -57.189,4.952 -57.189,4.952 -57.227,4.949 -57.227,4.949 -57.264,4.944 -57.264,4.944 -57.301,4.937 -57.301,4.937 -57.338,4.927 -57.338,4.927 -57.374,4.916 -57.374,4.916 -57.41,4.903 -57.41,4.903 -57.445,4.888 -57.445,4.888 -57.479,4.871 -57.479,4.871 -57.512,4.853 -57.512,4.853 -57.544,4.832 -57.544,4.832 -57.575,4.81 -57.575,4.81 -57.604,4.786 -57.604,4.786 -57.632,4.761 -57.632,4.761 -57.659,4.734 -57.659,4.734 -57.684,4.706 -57.684,4.706 -57.708,4.677 -57.708,4.677 -57.73,4.646 -57.73,4.646 -57.751,4.614 -57.751,4.614 -57.769,4.581 -57.769,4.581 -57.786,4.547 -57.786,4.547 -57.801,4.512 -57.801,4.512 -57.814,4.477 -57.814,4.477 -57.826,4.44 -57.826,4.44 -57.834,4.403 -57.834,4.403 -57.842,4.366 -57.842,4.366 -57.847,4.329 -57.847,4.329 -57.85,4.291 -57.85,4.291 -57.851,4.253 -57.851,4.253 -57.851,-4.953 -57.851,-4.953 -56.451,-4.953 -56.451,-4.953 -56.451,4.253 -56.451,4.253 -56.452,4.291 -56.452,4.291 -56.455,4.329 -56.455,4.329 -56.46,4.366 -56.46,4.366 -56.467,4.403 -56.467,4.403 -56.476,4.44 -56.476,4.44 -56.488,4.477 -56.488,4.477 -56.501,4.512 -56.501,4.512 -56.516,4.547 -56.516,4.547 -56.533,4.581 -56.533,4.581 -56.551,4.614 -56.551,4.614 -56.572,4.646 -56.572,4.646 -56.594,4.677 -56.594,4.677 -56.617,4.706 -56.617,4.706 -56.643,4.734 -56.643,4.734 -56.67,4.761 -56.67,4.761 -56.698,4.786 -56.698,4.786 -56.727,4.81 -56.727,4.81 -56.758,4.832 -56.758,4.832 -56.79,4.853 -56.79,4.853 -56.823,4.871 -56.823,4.871 -56.857,4.888 -56.857,4.888 -56.892,4.903 -56.892,4.903 -56.927,4.916 -56.927,4.916 -56.964,4.927 -56.964,4.927 -57,4.937 -57,4.937 -57.038,4.944 -57.038,4.944 -57.075,4.949 -57.075,4.949
  Bottom Layer region: -59.653,4.952 -59.691,4.953 -59.691,4.953 -59.729,4.952 -59.729,4.952 -59.767,4.949 -59.767,4.949 -59.805,4.944 -59.805,4.944 -59.842,4.937 -59.842,4.937 -59.879,4.927 -59.879,4.927 -59.915,4.916 -59.915,4.916 -59.95,4.903 -59.95,4.903 -59.985,4.888 -59.985,4.888 -60.019,4.872 -60.019,4.872 -60.052,4.853 -60.052,4.853 -60.084,4.832 -60.084,4.832 -60.115,4.81 -60.115,4.81 -60.144,4.787 -60.144,4.787 -60.173,4.761 -60.173,4.761 -60.199,4.734 -60.199,4.734 -60.225,4.706 -60.225,4.706 -60.249,4.677 -60.249,4.677 -60.271,4.646 -60.271,4.646 -60.291,4.614 -60.291,4.614 -60.31,4.581 -60.31,4.581 -60.327,4.547 -60.327,4.547 -60.342,4.512 -60.342,4.512 -60.355,4.477 -60.355,4.477 -60.366,4.44 -60.366,4.44 -60.375,4.404 -60.375,4.404 -60.382,4.366 -60.382,4.366 -60.387,4.329 -60.387,4.329 -60.39,4.291 -60.39,4.291 -60.391,4.253 -60.391,4.253 -60.391,-4.953 -60.391,-4.953 -58.991,-4.953 -58.991,-4.953 -58.991,4.253 -58.991,4.253 -58.992,4.291 -58.992,4.291 -58.995,4.329 -58.995,4.329 -59,4.366 -59,4.366 -59.008,4.404 -59.008,4.404 -59.017,4.44 -59.017,4.44 -59.028,4.477 -59.028,4.477 -59.041,4.512 -59.041,4.512 -59.056,4.547 -59.056,4.547 -59.073,4.581 -59.073,4.581 -59.092,4.614 -59.092,4.614 -59.112,4.646 -59.112,4.646 -59.134,4.677 -59.134,4.677 -59.158,4.706 -59.158,4.706 -59.183,4.734 -59.183,4.734 -59.21,4.761 -59.21,4.761 -59.238,4.787 -59.238,4.787 -59.268,4.81 -59.268,4.81 -59.298,4.832 -59.298,4.832 -59.33,4.853 -59.33,4.853 -59.364,4.872 -59.364,4.872 -59.397,4.888 -59.397,4.888 -59.432,4.903 -59.432,4.903 -59.468,4.916 -59.468,4.916 -59.504,4.927 -59.504,4.927 -59.541,4.937 -59.541,4.937 -59.578,4.944 -59.578,4.944 -59.616,4.949 -59.616,4.949